# Altium PCB 主控板20160428.PcbDoc (part 1 of 4) (continued)
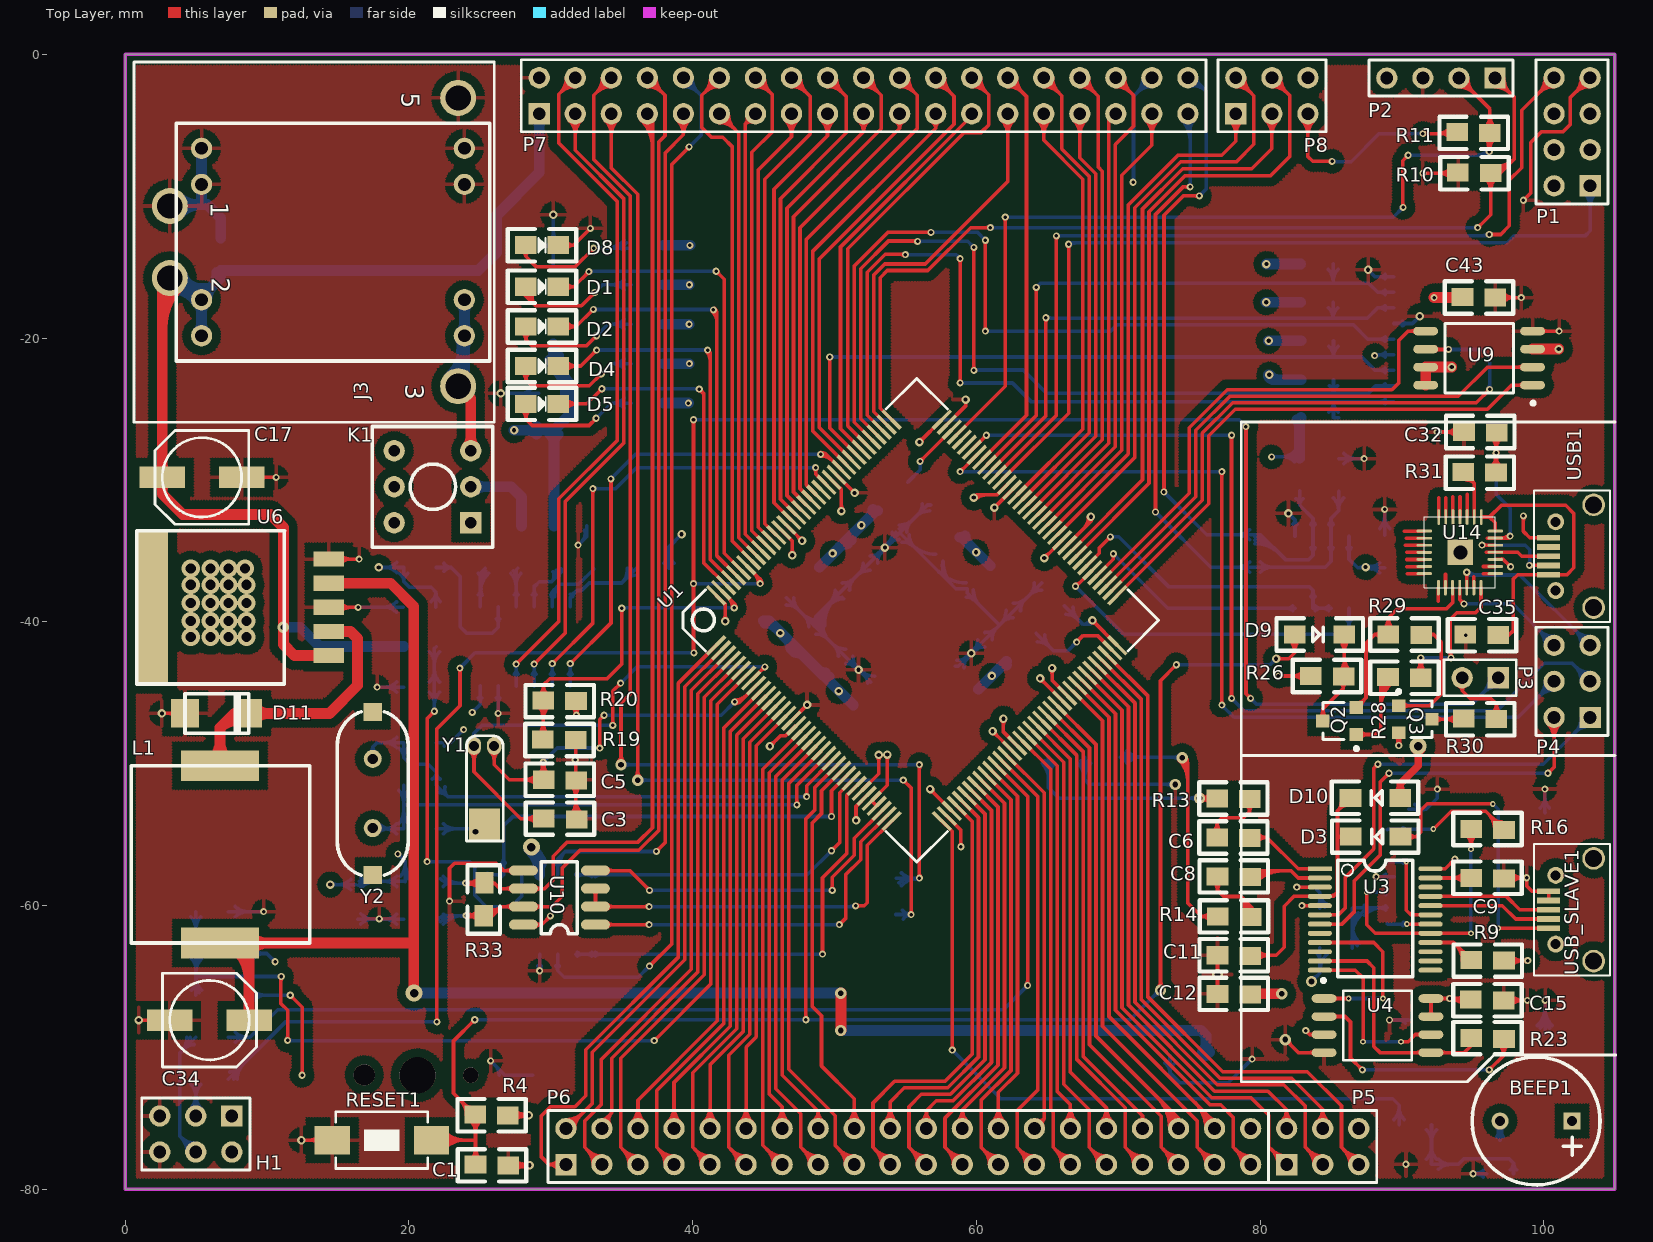
[diagram p0: Top Layer view]
## Components (designator, comment, footprint, x,y, rotation, side; value= is the part's Value field where it differs from the comment) (continued)
R22 "1k" 0805 35.662,-24.587 r0 bottom
R23 "102" 0805 97.155,-69.342 r180 top
R25 "1k" 0805 37.948,-13.462 r180 bottom
R26 "103" 0805 85.852,-43.815 r180 top
R28 "102" 0805 89.027,-43.942 r0 top
R29 "102" 0805 91.313,-40.894 r180 top
R30 "102" 0805 94.361,-46.863 r0 top
R31 "472" 0805 94.336,-29.489 r0 top
R32 "360R" 0805 21.92,-58.293 r180 bottom
R33 "120R" 0805 25.273,-58.42 r270 top
R34 "360R" 0805 19.634,-60.96 r0 bottom
R35 "10K/1%" 0805 21.92,-41.749 r180 bottom
R36 "1K/1%" 0805 19.634,-44.602 r0 bottom
R37 "360R" 0805 82.779,-30.759 r90 bottom
R38 "120R" 0805 79.629,-33.858 r270 bottom
R39 "360R" 0805 85.522,-28.499 r270 bottom
R40 "1K" 0805 89.789,-75.438 r0 bottom
R41 "10K" 0805 89.789,-78.232 r0 bottom
RESET1 "KEY_M" SW_PB2_A1 18.034,-76.53 r270 top
U1 "STM32F407ZET6" LQFP144 41.656,-41.656 r45 top
U3 "KT603C" SSOP24 84.201,-57.404 r0 top
U4 "W25Q128" SOIC8_W 88.265,-68.453 r0 top
U5 "TDA8932T_GFB" ? 54.28,-59.69 r0 bottom
U6 "LM2596-12" LM2596-12 0.813,-33.579 r0 top
U7 "MAX3232CUE" SO-16 25.019,-38.938 r270 bottom
U8 "AMS1117" SOT-223 30.226,-29.87 r180 bottom
U9 "W25Q128" SOIC8_W 95.428,-21.412 r180 top
U10 "SP3485" SO-8 33.147,-61.341 r180 top
U11 "TLC2264" SO-14 25.4,-57.836 r270 bottom
U12 "SP3485" SO-8 86.258,-39.04 r90 bottom
U14 "CP2102" QFN28 91.567,-37.592 r90 top
USB1 "USB-B(Mini)" MINIUSB 113.157,-34.925 r180 top
USB_SLAVE1 "USB-B(Mini)" MINIUSB 113.157,-59.842 r180 top
Y1 "32.768K" XTAL32 26.01,-48.743 r270 top
Y2 "8MHz" XTAL_US 17.45,-49.657 r270 top

## Footprints (in the part's own frame and the unit in brackets; to place one, negate y for a bottom-side part, rotate by r counter-clockwise, add the part's x,y. Pads: shape width x height; smd on the part's side, far side on the other; paste and mask are expansions set on the pad)
0805 [mil]
  rect 60x50 smd: 1(-1,2) 2(90,0)
  silkscreen extent -50,-45 140,45, body extent 6,-25 84,24, height 31
BELL-5 [mm]
  rect 1.2x1.2 hole 0.7: 1(0,0)
  round 1.2 hole 0.7: 2(5.08,0)
  silkscreen extent -1.97,-4.51 7.05,4.51, body extent -3.59,-5.49 8.41,6.51, height 9.3
BTN8.5*8.5 [mm]
  rect 1.5x1.5 hole 0.8: 1(0,0)
  round 1.5 hole 0.8: 2(0,-2.54) 3(0,-5.08) 4(5.4,-5.08) 5(5.4,-2.54) 6(5.4,0)
  silkscreen extent -1.55,-6.79 6.95,1.71
CC6.56.5 [mm]
  rect 3.2x1.5 smd: 1(-2.794,0) 2(2.8,0)
  silkscreen extent -3.3,-3.3 3.3,3.3, body extent -5.03,-4.05 4.87,4.25, height 10.2
CR1220 [mm]
  round 2.54 hole 2.54: 0(0,0)
  round 1.1 hole 1.1: 0(0,3.75)
  round 1.5 hole 1.5: 0(0.025,-3.75)
  oct 3.5x5 smd: 1(0,-8.128)
  oval 3.5x5 smd: 2(0,8.128)
  silkscreen extent -7.62,-7.5 7.62,7.36
DIDOE [mil]
  rect 60x50 smd: 1(0,0) 2(137.8,0)
  silkscreen extent -50,-45 190,45
DIP-2X19 [mm]
  rect 1.5x1.5 hole 0.9: 1(0,0)
  round 1.5 hole 0.9: 2(0,2.54) 3(2.54,0) 4(2.54,2.54) 5(5.08,0) 6(5.08,2.54) 7(7.62,0) 8(7.62,2.54) 9(10.16,0) 10(10.16,2.54) 11(12.7,0) 12(12.7,2.54) 13(15.24,0) 14(15.24,2.54) 15(17.78,0) 16(17.78,2.54) 17(20.32,0) 18(20.32,2.54) 19(22.86,0) 20(22.86,2.54) 21(25.4,0) 22(25.4,2.54) 23(27.94,0) 24(27.94,2.54) 25(30.48,0) 26(30.48,2.54) 27(33.02,0) 28(33.02,2.54) 29(35.56,0) 30(35.56,2.54) 31(38.1,0) 32(38.1,2.54) 33(40.64,0) 34(40.64,2.54) 35(43.18,0) 36(43.18,2.54) 37(45.72,0) 38(45.72,2.54)
  silkscreen extent -1.27,-1.27 46.99,3.81
DIP-2X20 [mm]
  rect 1.5x1.5 hole 0.9: 1(0,0)
  round 1.5 hole 0.9: 2(0,2.54) 3(2.54,0) 4(2.54,2.54) 5(5.08,0) 6(5.08,2.54) 7(7.62,0) 8(7.62,2.54) 9(10.16,0) 10(10.16,2.54) 11(12.7,0) 12(12.7,2.54) 13(15.24,0) 14(15.24,2.54) 15(17.78,0) 16(17.78,2.54) 17(20.32,0) 18(20.32,2.54) 19(22.86,0) 20(22.86,2.54) 21(25.4,0) 22(25.4,2.54) 23(27.94,0) 24(27.94,2.54) 25(30.48,0) 26(30.48,2.54) 27(33.02,0) 28(33.02,2.54) 29(35.56,0) 30(35.56,2.54) 31(38.1,0) 32(38.1,2.54) 33(40.64,0) 34(40.64,2.54) 35(43.18,0) 36(43.18,2.54) 37(45.72,0) 38(45.72,2.54) 39(48.26,0) 40(48.26,2.54)
  silkscreen extent -1.27,-1.27 49.53,3.81
HDR1X2 [mm]
  rect 1.5x1.5 hole 0.9: 1(0,0)
  round 1.5 hole 0.9: 2(2.54,0)
  silkscreen extent -1.27,-1.27 3.81,1.27
HDR1X4 [mm]
  rect 1.5x1.5 hole 0.9: 1(0,0)
  round 1.5 hole 0.9: 2(2.54,0) 3(5.08,0) 4(7.62,0)
  silkscreen extent -1.27,-1.27 8.89,1.27
HDR2X3 [mm]
  rect 1.5x1.5 hole 0.9: 1(0,0)
  round 1.5 hole 0.9: 2(0,2.54) 3(2.54,0) 4(2.54,2.54) 5(5.08,0) 6(5.08,2.54)
  silkscreen extent -1.27,-1.27 6.35,3.81
HDR2X4_CEN [mm]
  rect 1.5x1.5 hole 0.9: 1(0,0)
  round 1.5 hole 0.9: 2(2.54,0) 3(5.08,0) 4(7.62,0) 5(0,2.54) 6(2.54,2.54) 7(5.08,2.54) 8(7.62,2.54)
  silkscreen extent -1.27,-1.27 8.89,3.81
L-330 [mm]
  rect 5.5x2.16 smd: 1(6.25,0) 2(6.25,-12.5)
  silkscreen extent 0,-12.5 12.57,0
LED [mil]
  rect 60x50 smd: 1(-0.31,0.27) 2(89.69,0.27)
  silkscreen extent -50,-45 140,45
LM2596-12 [mm]
  rect 2.16x1.07 smd: 1(13.53,-8.8) 2(13.53,-7.1) 3(13.53,-5.4) 4(13.53,-3.7) 5(13.53,-2)
  rect 2.16x10.8 smd: ""(1.143,-5.461)
  silkscreen extent 0,-10.8 10.41,0, body extent -0.66,-10.64 15.01,-0.24, height 4.5
LQFP144 [mm]
  rect 1.8x0.254 smd: 1(-0.009,0.001) 2(-0.009,-0.499) 3(-0.009,-0.999) 4(-0.009,-1.499) 5(-0.009,-1.999) 6(-0.009,-2.499) 7(-0.009,-2.999) 8(-0.009,-3.499) 9(-0.009,-3.999) 10(-0.009,-4.499) 11(-0.009,-4.999) 12(-0.009,-5.499) 13(-0.009,-5.999) 14(-0.009,-6.499) 15(-0.009,-6.999) 16(-0.009,-7.499) 17(-0.009,-7.999) 18(-0.009,-8.499) 19(-0.009,-8.999) 20(-0.009,-9.499) 21(-0.009,-9.999) 22(-0.009,-10.499) 23(-0.009,-10.999) 24(-0.009,-11.499) 25(-0.009,-11.999) 26(-0.009,-12.499) 27(-0.009,-12.999) 28(-0.009,-13.499) 29(-0.009,-13.999) 30(-0.009,-14.499) 31(-0.009,-14.999) 32(-0.009,-15.499) 33(-0.009,-15.999) 34(-0.009,-16.499) 35(-0.009,-16.999) 36(-0.009,-17.499) 73(22.491,-17.499) 74(22.491,-16.999) 75(22.491,-16.499) 76(22.491,-15.999) 77(22.491,-15.499) 78(22.491,-14.999) 79(22.491,-14.499) 80(22.491,-13.999) 81(22.491,-13.499) 82(22.491,-12.999) 83(22.491,-12.499) 84(22.491,-11.999) 85(22.491,-11.499) 86(22.491,-10.999) 87(22.491,-10.499) 88(22.491,-9.999) 89(22.491,-9.499) 90(22.491,-8.999) 91(22.491,-8.499) 92(22.491,-7.999) 93(22.491,-7.499) 94(22.491,-6.999) 95(22.491,-6.499) 96(22.491,-5.999) 97(22.491,-5.499) 98(22.491,-4.999) 99(22.491,-4.499) 100(22.491,-3.999) 101(22.491,-3.499) 102(22.491,-2.999) 103(22.491,-2.499) 104(22.491,-1.999) 105(22.491,-1.499) 106(22.491,-0.999) 107(22.491,-0.499) 108(22.491,0.001)
  rect 0.254x1.8 smd: 37(2.491,-19.999) 38(2.991,-19.999) 39(3.491,-19.999) 40(3.991,-19.999) 41(4.491,-19.999) 42(4.991,-19.999) 43(5.491,-19.999) 44(5.991,-19.999) 45(6.491,-19.999) 46(6.991,-19.999) 47(7.491,-19.999) 48(7.991,-19.999) 49(8.491,-19.999) 50(8.991,-19.999) 51(9.491,-19.999) 52(9.991,-19.999) 53(10.491,-19.999) 54(10.991,-19.999) 55(11.491,-19.999) 56(11.991,-19.999) 57(12.491,-19.999) 58(12.991,-19.999) 59(13.491,-19.999) 60(13.991,-19.999) 61(14.491,-19.999) 62(14.991,-19.999) 63(15.491,-19.999) 64(15.991,-19.999) 65(16.491,-19.999) 66(16.991,-19.999) 67(17.491,-19.999) 68(17.991,-19.999) 69(18.491,-19.999) 70(18.991,-19.999) 71(19.491,-19.999) 72(19.991,-19.999) 109(19.991,2.501) 110(19.491,2.501) 111(18.991,2.501) 112(18.491,2.501) 113(17.991,2.501) 114(17.491,2.501) 115(16.991,2.501) 116(16.491,2.501) 117(15.991,2.501) 118(15.491,2.501) 119(14.991,2.501) 120(14.491,2.501) 121(13.991,2.501) 122(13.491,2.501) 123(12.991,2.501) 124(12.491,2.501) 125(11.991,2.501) 126(11.491,2.501) 127(10.991,2.501) 128(10.491,2.501) 129(9.991,2.501) 130(9.491,2.501) 131(8.991,2.501) 132(8.491,2.501) 133(7.991,2.501) 134(7.491,2.501) 135(6.991,2.501) 136(6.491,2.501) 137(5.991,2.501) 138(5.491,2.501) 139(4.991,2.501) 140(4.491,2.501) 141(3.991,2.501) 142(3.491,2.501) 143(2.991,2.501) 144(2.491,2.501)
  silkscreen extent -0.81,-20.8 23.29,3.3, body extent 0.25,-19.61 22.03,2.16, height 1.5
MINIUSB [mm]
  round 1.6 hole 1.2: 0(9.652,-3.175) 0(9.652,4.075)
  round 1.2 hole 0.7: 0(12.332,-1.975) 0(12.332,2.875)
  rect 1.6x0.4 smd: 1(12.835,1.75) 2(12.835,1.1) 3(12.835,0.45) 4(12.835,-0.2) 5(12.835,-0.85)
  silkscreen extent 8.51,-4.19 13.85,5.08, body extent 7.96,-4.04 13.69,4.76, height 2.71
QFN28 [mm]
  rect 1.8x1.8 smd: 0(2.489,-2.54)
  oval 0.2x1.1 smd: 1(0.991,-5.004) 2(1.491,-5.004) 3(1.991,-5.004) 4(2.491,-5.004) 5(2.991,-5.004) 6(3.491,-5.004) 7(3.991,-5.004) 15(3.988,0) 16(3.488,0) 17(2.988,0) 18(2.488,0) 19(1.988,0) 20(1.488,0) 21(0.988,0)
  oval 1.1x0.2 smd: 8(4.978,-4.013) 9(4.978,-3.513) 10(4.978,-3.013) 11(4.978,-2.513) 12(4.978,-2.013) 13(4.978,-1.513) 14(4.978,-1.013) 22(0,-0.991) 23(0,-1.491) 24(0,-1.991) 25(0,-2.491) 26(0,-2.991) 27(0,-3.491) 28(0,-3.991)
  silkscreen extent -0.01,-5 4.99,0
SDCARD-M [mm]
  rect 1.6x0.7 smd: 1(-11.008,2.25) 2(-11.008,1.15) 3(-11.008,0.05) 4(-11.008,-1.05) 5(-11.008,-2.15) 6(-11.008,-3.25) 7(-11.008,-4.35) 8(-11.008,-5.45) 9(-11.008,-6.55)
  rect 1.4x1.2 smd: 10(-10,-8.004)
  rect 2.2x1.7 smd: 11(-0.4,-7.75) 13(-0.4,7.75)
  rect 1.4x1.8 smd: 12(-10,6.85)
  silkscreen extent -10.5,-7.4 4,7.4
SO-8 [mil]
  oval 80x28 smd: 1(0,0) 2(0,-50) 3(0,-100) 4(0,-150) 5(200,-150) 6(200,-100) 7(200,-50) 8(200,0)
  silkscreen extent 50,-175 150,25, body extent -17,-174 221,24, height 63
SO-14 [mil]
  oval 80x24 smd: 1(0,0) 2(0,-50) 3(0,-100) 4(0,-150) 5(0,-200) 6(0,-250) 7(0,-300) 8(220,-300) 9(220,-250) 10(220,-200) 11(220,-150) 12(220,-100) 13(220,-50) 14(220,0)
  silkscreen extent 60,-325 160,25, body extent -13,-320 223,18, height 71
SO-16 [mil]
  oval 80x24 smd: 1(0,0) 2(0,-50) 3(0,-100) 4(0,-150) 5(0,-200) 6(0,-250) 7(0,-300) 8(0,-350) 9(220,-350) 10(220,-300) 11(220,-250) 12(220,-200) 13(220,-150) 14(220,-100) 15(220,-50) 16(220,0)
  silkscreen extent 60,-375 160,25
SOIC8_W [mm]
  oval 1.75x0.6 smd: 1(-3.768,1.905) 2(-3.768,0.635) 3(-3.768,-0.635) 4(-3.768,-1.905) 5(3.768,-1.905) 6(3.768,-0.635) 7(3.768,0.635) 8(3.768,1.905)
  silkscreen extent -3.93,-2.45 2.41,3.3
SOT-23R [mm]
  rect 0.9x0.95 smd: 1(0.95,-1.048) 2(-0.95,-1.048) 3(0,1.302)
  silkscreen extent -2.07,-1.17 1.3,1.3
SOT-223 [mm]
  rect 1.1x1.55 smd: 1(-2.3,-3.375) 2(0,-3.375) 3(2.3,-3.375)
  rect 3.45x1.55 smd: 4(0,3.375)
  silkscreen extent -3.5,-3.48 3.35,1.85, body extent -3.3,-3.94 3.3,3.43, height 0.8
SS34 [mm]
  rect 2x2 smd: 1(4.445,-1.397) 2(0,-1.395)
  silkscreen extent 0,-2.79 4.5,0
SSOP24 [mm]
  rect 1.7x0.35 smd: 1(0,0)
  oval 1.7x0.35 smd: 2(0,-0.65) 3(0,-1.3) 4(0,-1.95) 5(0,-2.6) 6(0,-3.25) 7(0,-3.9) 8(0,-4.55) 9(0,-5.2) 10(0,-5.85) 11(0,-6.5) 12(0,-7.15) 13(7.8,-7.15) 14(7.8,-6.5) 15(7.8,-5.85) 16(7.8,-5.2) 17(7.8,-4.55) 18(7.8,-3.9) 19(7.8,-3.25) 20(7.8,-2.6) 21(7.8,-1.95) 22(7.8,-1.3) 23(7.8,-0.65) 24(7.8,0)
  silkscreen extent 1.25,-7.6 6.55,0.6
SW_PB2_A1 [mm]
  rect 2x2.5 smd: 1(0,3.556) 2(0,-3.444)
  silkscreen extent -2,-3.19 2,3.31, body extent -2.03,-3.18 2.03,3.3, height 1.2
WD5-24S3V3 [mm]
  round 2.54 hole 1.778: 1(0,0) 2(0,-5.08) 3(20.32,-12.7) 5(20.32,7.62)
  round 1.5 hole 0.9: 1(2.235,1.524) 1(2.235,4.064) 2(2.235,-9.144) 2(2.235,-6.604) 3(20.759,-9.144) 3(20.759,-6.604) 5(20.759,1.524) 5(20.759,4.064)
  silkscreen extent -2.54,-15.24 22.86,10.16
XTAL32 [mil]
  oval 50x40 hole 28: 1(0,0) 2(0,-56)
  rect 92.13x86 smd: ""(220,-27)
  silkscreen extent -28,-77 264,25
XTAL_US [mil]
  round 50 hole 28: 1(0,0) 2(192.13,0)
  rect 50x50 smd: ""(-130.32,0) ""(322.44,0)
  silkscreen extent -131,-98 323,98
? [mm]
  rect 1.5x1.5 smd: 1(10.795,-10.149) 2(15.875,-10.149) 3(0,0.991) 3(26.7,0.991) 4(0,-1.549) 4(26.7,-1.549) 5(21.9,10.891) 6(13.335,-10.149) 6(19.36,10.891)
  silkscreen extent -2,-13.13 28.67,13.91

## Part data
D1 D2 D4 D5 D8: library part LED2, "Ty"
D11: library part "Diode BAT17", "Silicon RF Schottky Diode for Mixer Applications in t"
P1: library part "Header 4X2A", "Heade"
P2: "Header, 4-Pin, Right Angle"
P3: library part Header
P4 P5 P8: "Header, 3-Pin, Dual"
P6 P7: "Header,"
Q2 Q4: library part NPN, "80"

## Via types
v1: diameter 0.5, hole 0.25, Top Layer to Bottom Layer, 178 vias
v2: diameter 0.6, hole 0.3, Top Layer to Bottom Layer, 54 vias
v3: diameter 1.27, hole 0.711, Top Layer to Bottom Layer, 20 vias
v4: diameter 0.8, hole 0.4, Top Layer to Bottom Layer, 14 vias
v5: diameter 0.406, hole 0.203, Top Layer to Bottom Layer, 12 vias
v6: diameter 1.2, hole 0.6, Top Layer to Bottom Layer, 3 vias
v7: diameter 0.5, hole 0.305, Top Layer to Bottom Layer, 1 vias
v8: diameter 1.5, hole 1, Top Layer to Bottom Layer, 1 vias

## Nets (pads, with @x,y where several pads share a name; then routed paths per layer and width w, separated by ;. In a path a pad name is that pad's centre, name@x,y a point inside that pad or via, vN(x,y) a via of type N, cw(c..) or ccw(c..) an arc to the next point about the centre after c; other vN are vias at no path point)
BEEP: R40.1 U1.37 | length 53.8
  Top Layer w0.254: U1.37@57.559,-54.036 58.293,-54.77 v1(58.293,-70.18) ; v1@58.206,-70.093 ccw(c57.996,-69.883) 58.293,-69.883 ccw(c58.59,-69.883) v1@58.38,-70.093
  Bottom Layer w0.254: v1@58.293,-70.303 cw(c58.293,-70.6) 58.503,-70.39 cw(c58.713,-70.18) v1@58.416,-70.18 ; v1(58.293,-70.18) 61.722,-73.609 87.96,-73.609 89.332,-73.609 89.789,-74.066 R40.1@89.789,-75.438 ; R40.1@89.43,-75.079 ccw(c88.563,-74.212) 89.789,-74.212 ccw(c91.015,-74.212) R40.1@90.148,-75.079
BOOT0: P3.1 R1.1 U1.138 | length 174
  Top Layer w0.254: v1@21.884,-68.112 ccw(c21.674,-67.902) 21.971,-67.902 ccw(c22.268,-67.902) v1@22.058,-68.112 ; v1(21.971,-68.199) 21.971,-47.549 23.597,-45.923 v1(23.597,-43.256) ; v1@23.51,-43.343 cw(c23.3,-43.553) 23.597,-43.553 cw(c23.894,-43.553) v1@23.684,-43.343 ; v1@39.969,-37.4 cw(c39.752,-37.616) 40.059,-37.616 ; v1@39.969,-37.226 ccw(c39.752,-37.009) 40.059,-37.009 ; v1@39.969,-25.843 cw(c39.759,-26.053) 40.056,-26.053 cw(c40.353,-26.052) v1@40.143,-25.843 ; v1(40.056,-25.756) v1@40.06,-42.168 ; 40.059,-37.603 cw(c40.346,-37.603) v1@40.143,-37.4 ; 40.059,-37.022 ccw(c40.346,-37.022) v1@40.143,-37.226 ; 40.06,-41.841 ccw(c40.43,-41.841) v1@40.168,-42.102 ; U1.138@43.771,-36.005 44.755,-36.989 v1(44.755,-37.313) ; U1.138@44.316,-36.551 cw(c43.554,-37.313) v1@44.632,-37.313 ; v1@44.668,-37.226 ccw(c44.458,-37.016) 44.755,-37.016 ccw(c45.052,-37.016) v1@44.842,-37.226 ; 44.75,-36.984 cw(c44.422,-37.313) v1@44.886,-37.313 ; v1@78.907,-26.325 cw(c78.697,-26.535) 78.994,-26.535 cw(c79.291,-26.535) v1@79.081,-26.325 ; v1(78.994,-26.238) 78.994,-45.06 v1(79.324,-45.39) ; v1@79.201,-45.39 ccw(c78.904,-45.39) 79.114,-45.18 ccw(c79.324,-44.97) v1@79.324,-45.267
  Bottom Layer w0.254: R1.1@7.264,-72.238 11.303,-68.199 v1(21.971,-68.199) ; R1.1@7.391,-71.73 ccw(c7.391,-70.81) 8.042,-71.46 ; R1.1@7.645,-72.238 cw(c8.565,-72.238) R1.1@7.915,-71.587 ; R1.1@7.899,-72.238 cw(c9.432,-72.238) 8.348,-71.154 ; v1@21.884,-68.286 ccw(c21.674,-68.496) 21.674,-68.199 ccw(c21.674,-67.902) v1@21.884,-68.112 ; v1(23.597,-43.256) 24.663,-42.189 v1(40.081,-42.189) ; v1@23.597,-43.133 ccw(c23.597,-42.836) 23.807,-43.046 ccw(c24.017,-43.256) v1@23.72,-43.256 ; v1@39.994,-42.276 ccw(c39.784,-42.486) 39.784,-42.189 ccw(c39.784,-41.892) v1@39.994,-42.102 ; v1(40.056,-37.313) v1(44.755,-37.313) ; v1(40.056,-25.756) 78.511,-25.756 v1(78.994,-26.238) ; v1@40.143,-37.4 cw(c40.353,-37.61) 40.353,-37.313 cw(c40.353,-37.016) v1@40.143,-37.226 ; v1@40.143,-25.843 cw(c40.353,-26.053) 40.353,-25.756 cw(c40.353,-25.459) v1@40.143,-25.669 ; v1@44.668,-37.4 ccw(c44.458,-37.61) 44.458,-37.313 ccw(c44.458,-37.016) v1@44.668,-37.226 ; v1@78.871,-26.238 ccw(c78.574,-26.238) 78.784,-26.028 ccw(c78.994,-25.818) v1@78.994,-26.115 ; v1@79.324,-45.513 cw(c79.324,-45.81) 79.534,-45.6 cw(c79.744,-45.39) v1@79.447,-45.39 ; v1(79.324,-45.39) 79.756,-45.822 94.894,-45.822 P3.1@96.774,-43.942 ; P3.1@96.151,-43.942 cw(c94.647,-43.942) 95.71,-45.006 cw(c96.774,-46.069) P3.1@96.774,-44.565 ; P3.1@96.405,-43.942 cw(c95.514,-43.942) 96.144,-44.572 cw(c96.774,-45.202) P3.1@96.774,-44.311
BOOT1: R2.2 U1.48 | length 77.1
  Top Layer w0.254: U1.48@61.448,-50.147 63.602,-52.301 v1(63.602,-65.634) ; v1@63.515,-65.547 ccw(c63.305,-65.337) 63.602,-65.337 ccw(c63.899,-65.337) v1@63.689,-65.547
  Bottom Layer w0.254: R2.2@7.264,-69.285 8.795,-69.285 10.744,-67.335 61.9,-67.335 v1(63.602,-65.634) ; R2.2@7.751,-69.644 cw(c8.618,-70.511) 8.618,-69.285 cw(c8.618,-68.058) R2.2@7.751,-68.926 ; v1@63.479,-65.634 cw(c63.182,-65.634) 63.392,-65.844 cw(c63.602,-66.054) v1@63.602,-65.757
BY_KC1: P7.25 U1.115 | length 28.1
  Top Layer w0.254: U1.115@51.902,-27.873 50.419,-26.39 50.419,-13.575 59.665,-4.33 P7.25@59.665,-4.191
BY_KC2: P7.24 U1.117 | length 36.1
  Top Layer w0.254: U1.117@51.195,-28.58 48.932,-26.317 48.932,-14.416 58.42,-4.928 58.42,-2.946 P7.24@57.125,-1.651 ; P7.24@57.125,-2.274 cw(c57.125,-3.778) 58.188,-2.715 cw(c59.252,-1.651) P7.24@57.748,-1.651 ; P7.24@57.125,-2.02 cw(c57.125,-2.911) 57.755,-2.281 cw(c58.384,-1.651) P7.24@57.494,-1.651
BY_KC3: P7.23 U1.118 | length 30.4
  Top Layer w0.254: U1.118@50.842,-28.934 48.475,-26.567 48.475,-13.857 57.125,-5.207 ; P7.23@56.842,-4.746 cw(c56.608,-5.207) 57.125,-5.207 ; P7.23@57.125,-4.191 57.125,-5.207 ; P7.23@57.407,-4.746 ccw(c57.642,-5.207) 57.125,-5.207
BY_KR1: P7.35 U1.87 | length 35.8
  Top Layer w0.254: U1.87@64.984,-33.177 70.244,-27.917 70.244,-8.522 72.365,-6.401 P7.35@72.365,-4.191 ; P7.35@71.924,-4.632 cw(c70.861,-5.695) 72.365,-5.695 cw(c73.869,-5.695) P7.35@72.805,-4.632 ; P7.35@72.104,-4.452 cw(c71.474,-5.082) 72.365,-5.082 cw(c73.255,-5.082) P7.35@72.626,-4.452
BY_KR2: P7.34 U1.88 | length 38.1
  Top Layer w0.254: U1.88@64.63,-32.823 69.787,-27.667 69.787,-6.363 71.069,-5.08 71.069,-2.896 P7.34@69.825,-1.651 ; P7.34@69.825,-2.274 cw(c69.825,-3.778) 70.888,-2.715 cw(c71.952,-1.651) P7.34@70.448,-1.651 ; P7.34@69.825,-2.02 cw(c69.825,-2.911) 70.455,-2.281 cw(c71.084,-1.651) P7.34@70.194,-1.651
BY_KR3: P7.33 U1.89 | length 30.6
  Top Layer w0.254: U1.89@64.277,-32.47 69.329,-27.417 69.329,-4.686 P7.33@69.825,-4.191
CAN_RX: U1.103
CAN_TX: U1.104
DACLOUT: R13.2 U5.1 | length 22.7
  Top Layer w0.254: v4@75.895,-52.633 cw(c76.119,-52.895) 76.208,-52.562 cw(c76.295,-52.24) v4@75.977,-52.342 ; v4@75.91,-52.619 cw(c76.315,-53.023) R13.2@76.315,-52.451 ; v4@75.91,-52.233 ccw(c76.438,-51.705) R13.2@76.438,-52.451 ; v4@75.954,-52.29 ccw(c76.087,-52.215) 76.126,-52.362 ccw(c76.181,-52.566) v4@75.979,-52.505 ; R13.2@76.435,-52.764 ccw(c75.794,-53.264) v4@75.794,-52.451 ; R13.2@76.435,-52.138 cw(c75.794,-51.638) v4@75.794,-52.451 ; R13.2@76.962,-52.451 v4@75.794,-52.451
  Bottom Layer w0.254: U5.1@64.634,-49.981 cw(c63.571,-51.045) 65.075,-51.045 cw(c66.579,-51.045) U5.1@65.515,-49.981 ; U5.1@64.814,-49.802 cw(c64.184,-50.431) 65.075,-50.431 cw(c65.966,-50.431) U5.1@65.336,-49.802 ; U5.1@65.075,-49.541 65.075,-51.689 65.811,-52.426 v4(75.717,-52.426) ; v4@75.524,-52.619 ccw(c75.058,-53.085) 75.058,-52.426 ccw(c75.058,-51.767) v4@75.524,-52.233
DACROUT: R14.2 U5.2 | length 27.4
  Top Layer w0.254: v4@74.305,-49.774 cw(c72.919,-51.16) 74.879,-51.16 ; v4@74.485,-49.594 cw(c73.533,-50.546) 74.879,-50.546 ; v4@74.524,-49.581 74.879,-49.936 ; v4@74.561,-49.846 cw(c74.64,-50.176) 74.879,-49.936 ; v4@74.664,-49.415 cw(c74.146,-49.933) 74.879,-49.933 ; v4@74.769,-49.615 ccw(c75.152,-49.663) 74.879,-49.936 ; R14.2@76.485,-61.069 ccw(c75.844,-61.57) 75.844,-60.757 ; R14.2@76.485,-60.444 cw(c75.844,-59.943) 75.844,-60.757 ; R14.2@77.013,-60.757 75.844,-60.757 ; 74.879,-49.936 74.879,-59.792 75.844,-60.757
  Bottom Layer w0.254: U5.2@70.155,-49.541 v4@74.498,-49.541 ; U5.2@70.416,-49.802 cw(c71.046,-50.431) 71.046,-49.541 cw(c71.046,-48.65) U5.2@70.416,-49.28 ; U5.2@70.595,-49.981 cw(c71.659,-51.045) 71.659,-49.541 cw(c71.659,-48.037) U5.2@70.595,-49.1 ; 73.742,-49.541 cw(c73.742,-50.337) v4@74.305,-49.774 ; 73.936,-49.541 ccw(c73.936,-49.019) v4@74.305,-49.388
  other v4: 74.498,-49.581
DJ1_KC1: P7.16 U1.132 | length 38.2
  Top Layer w0.254: U1.132@45.892,-33.884 45.085,-33.077 45.085,-8.814 48.285,-5.613 48.285,-2.972 P7.16@46.965,-1.651 ; P7.16@46.965,-2.274 cw(c46.965,-3.778) 48.028,-2.715 cw(c49.092,-1.651) P7.16@47.588,-1.651 ; P7.16@46.965,-2.02 cw(c46.965,-2.911) 47.595,-2.281 cw(c48.224,-1.651) P7.16@47.334,-1.651
DJ1_KC2: P7.15 U1.133 | length 35.2
  Top Layer w0.254: U1.133@45.538,-34.237 44.628,-33.327 44.628,-8.153 46.965,-5.817 P7.15@46.965,-4.191 ; P7.15@46.524,-4.632 cw(c45.461,-5.695) 46.965,-5.695 cw(c48.469,-5.695) P7.15@47.405,-4.632 ; P7.15@46.704,-4.452 cw(c46.074,-5.082) 46.965,-5.082 cw(c47.855,-5.082) P7.15@47.226,-4.452
DJ1_KC3: P7.14 U1.134 | length 38.2
  Top Layer w0.254: P7.14@44.425,-2.274 cw(c44.425,-3.778) 45.488,-2.715 cw(c46.552,-1.651) P7.14@45.048,-1.651 ; P7.14@44.425,-2.02 cw(c44.425,-2.911) 45.055,-2.281 cw(c45.684,-1.651) P7.14@44.794,-1.651 ; P7.14@44.425,-1.651 45.618,-2.845 45.618,-5.461 44.171,-6.909 44.171,-33.577 U1.134@45.185,-34.591
DJ2_KC1: P7.19 U1.127 | length 33.4
  Top Layer w0.254: U1.127@47.66,-32.116 46.646,-31.102 46.646,-10.86 52.045,-5.461 ; P7.19@51.663,-4.684 cw(c51.062,-5.461) 52.045,-5.461 ; P7.19@51.819,-4.483 cw(c51.462,-4.943) 52.045,-4.943 cw(c52.627,-4.943) P7.19@52.27,-4.483 ; P7.19@52.045,-4.191 52.045,-5.461 ; P7.19@52.426,-4.684 ccw(c53.027,-5.461) 52.045,-5.461
DJ2_KC2: P7.18 U1.128 | length 37.5
  Top Layer w0.254: U1.128@47.306,-32.47 46.189,-31.352 46.189,-10.174 50.825,-5.537 50.825,-2.972 P7.18@49.505,-1.651 ; P7.18@49.505,-2.274 cw(c49.505,-3.778) 50.568,-2.715 cw(c51.632,-1.651) P7.18@50.128,-1.651 ; P7.18@49.505,-2.02 cw(c49.505,-2.911) 50.135,-2.281 cw(c50.764,-1.651) P7.18@49.874,-1.651
DJ2_KC3: P7.17 U1.129 | length 34.5
  Top Layer w0.254: U1.129@46.953,-32.823 45.731,-31.602 45.731,-9.514 49.505,-5.74 P7.17@49.505,-4.191 ; P7.17@49.064,-4.632 cw(c48.001,-5.695) 49.505,-5.695 cw(c51.009,-5.695) P7.17@49.945,-4.632 ; P7.17@49.244,-4.452 cw(c48.614,-5.082) 49.505,-5.082 cw(c50.395,-5.082) P7.17@49.766,-4.452
DJ3_KC1: P7.13 U1.135 | length 32.6
  Top Layer w0.254: P7.13@43.834,-4.389 cw(c43.36,-4.548) 43.713,-4.902 ; P7.13@44.226,-4.782 ccw(c44.067,-5.256) 43.713,-4.902 ; P7.13@44.425,-4.191 43.713,-4.902 ; U1.135@44.831,-34.944 43.713,-33.827 43.713,-4.902
DJ3_KC2: P7.11 U1.136 | length 35.9
  Top Layer w0.254: P7.11@41.885,-4.814 cw(c41.885,-6.318) 42.948,-5.255 cw(c44.012,-4.191) P7.11@42.508,-4.191 ; P7.11@41.885,-4.56 cw(c41.885,-5.451) 42.515,-4.821 cw(c43.144,-4.191) P7.11@42.254,-4.191 ; P7.11@41.885,-4.191 43.256,-5.563 43.256,-34.077 U1.136@44.478,-35.298
DJ3_KC3: P7.12 U1.137 | length 40.2
  Top Layer w0.254: P7.12@41.262,-1.651 cw(c39.758,-1.651) 40.821,-2.715 cw(c41.885,-3.778) P7.12@41.885,-2.274 ; P7.12@41.516,-1.651 cw(c40.625,-1.651) 41.255,-2.281 cw(c41.885,-2.911) P7.12@41.885,-2.02 ; P7.12@41.885,-1.651 40.64,-2.896 40.64,-5.156 41.326,-5.842 42.113,-5.842 42.799,-6.528 42.799,-34.326 U1.137@44.124,-35.652
DJ4_KC1: P7.22 U1.124 | length 37.2
  Top Layer w0.254: U1.124@48.72,-31.055 48.017,-30.353 48.017,-13.044 55.829,-5.232 55.829,-2.896 P7.22@54.585,-1.651 ; P7.22@54.585,-2.274 cw(c54.585,-3.778) 55.648,-2.715 cw(c56.712,-1.651) P7.22@55.208,-1.651 ; P7.22@54.585,-2.02 cw(c54.585,-2.911) 55.215,-2.281 cw(c55.844,-1.651) P7.22@54.954,-1.651
DJ4_KC2: P7.21 U1.125 | length 31.6
  Top Layer w0.254: U1.125@48.367,-31.409 47.56,-30.602 47.56,-12.231 54.585,-5.207 ; P7.21@54.302,-4.746 cw(c54.068,-5.207) 54.585,-5.207 ; P7.21@54.585,-4.191 54.585,-5.207 ; P7.21@54.867,-4.746 ccw(c55.102,-5.207) 54.585,-5.207
DJ4_KC3: P7.20 U1.126 | length 37.3
  Top Layer w0.254: U1.126@48.013,-31.762 47.103,-30.852 47.103,-11.444 53.289,-5.258 53.289,-2.896 P7.20@52.045,-1.651 ; P7.20@52.045,-2.274 cw(c52.045,-3.778) 53.108,-2.715 cw(c54.172,-1.651) P7.20@52.668,-1.651 ; P7.20@52.045,-2.02 cw(c52.045,-2.911) 52.675,-2.281 cw(c53.304,-1.651) P7.20@52.414,-1.651
DTR: R28.2 U14.28 | length 14.6
  Top Layer w0.254: R28.2@90.954,-43.583 ccw(c90.087,-42.716) 91.313,-42.716 ccw(c92.539,-42.716) R28.2@91.672,-43.583 ; v1@91.206,-42.607 cw(c90.819,-42.83) 91.251,-42.946 ; v1@91.226,-42.632 cw(c91.016,-42.842) 91.313,-42.842 cw(c91.61,-42.842) v1@91.4,-42.632 ; R28.2@91.313,-43.942 v1(91.313,-42.545) ; 91.375,-42.946 cw(c91.807,-42.83) v1@91.42,-42.607 ; 93.396,-42.125 ccw(c93.866,-42.125) v1@93.534,-42.458 ; v1(93.447,-42.545) 93.396,-42.494 93.396,-39.827 93.853,-39.37 95.174,-39.37 95.558,-38.986 U14.28@95.558,-37.592
  Bottom Layer w0.254: v1(91.313,-42.545) v1(93.447,-42.545) ; v1@91.4,-42.632 cw(c91.61,-42.842) 91.61,-42.545 cw(c91.61,-42.248) v1@91.4,-42.458 ; v1@93.36,-42.632 ccw(c93.15,-42.842) 93.15,-42.545 ccw(c93.15,-42.248) v1@93.36,-42.458
DWQ1: P7.9 U11.5 | length 67.9
  Top Layer w0.254: v1(37.44,-56.185) 38.079,-55.546 38.079,-6.93 39.345,-5.664 ; v1@37.44,-56.062 ccw(c37.44,-55.765) 37.65,-55.975 ccw(c37.86,-56.185) v1@37.563,-56.185 ; P7.9@38.911,-4.638 cw(c37.914,-5.664) 39.345,-5.664 ; P7.9@39.088,-4.456 cw(c38.498,-5.064) 39.345,-5.064 cw(c40.192,-5.064) P7.9@39.602,-4.456 ; P7.9@39.345,-4.191 39.345,-5.664 ; P7.9@39.779,-4.638 ccw(c40.775,-5.664) 39.345,-5.664
  Bottom Layer w0.254: U11.5@30.359,-56.994 ccw(c30.104,-56.718) 30.48,-56.718 ; U11.5@30.404,-57.129 cw(c31.114,-57.09) 30.611,-56.587 ; U11.5@30.48,-57.836 30.48,-56.718 ; U11.5@30.601,-56.994 cw(c30.856,-56.718) 30.48,-56.718 ; U11.5@30.658,-57.115 cw(c31.877,-57.048) 31.013,-56.185 ; v1@37.353,-56.272 ccw(c37.143,-56.482) 37.143,-56.185 ccw(c37.143,-55.888) v1@37.353,-56.098 ; v1(37.44,-56.185) 31.013,-56.185 ; 30.48,-56.718 31.013,-56.185
DWQ1_ADC: U1.28 U11.6 U11.7 | length 27.2
  Top Layer w0.254: v1(49.784,-56.134) 50.364,-55.554 50.364,-52.039 U1.28@51.195,-51.208 ; v1@49.784,-56.011 ccw(c49.784,-55.714) 49.994,-55.924 ccw(c50.204,-56.134) v1@49.907,-56.134
  Bottom Layer w0.254: U11.6@31.775,-57.81 U11.6@31.75,-57.836 U11.7@33.02,-57.836 48.082,-57.836 v1(49.784,-56.134) ; U11.6@31.876,-57.962 cw(c32.179,-58.265) 32.179,-57.836 cw(c32.179,-57.407) U11.6@31.876,-57.71 ; U11.7@32.894,-57.961 ccw(c32.591,-58.265) 32.591,-57.836 ccw(c32.591,-57.406) U11.7@32.894,-57.71 ; U11.7@33.146,-57.961 cw(c33.449,-58.265) 33.449,-57.836 cw(c33.449,-57.407) U11.7@33.146,-57.71 ; v1@49.661,-56.134 cw(c49.364,-56.134) 49.574,-56.344 cw(c49.784,-56.554) v1@49.784,-56.257
DWQ2: P7.10 U11.10 | length 79.1
  Top Layer w0.254: v1(36.957,-64.262) 38.536,-62.683 38.536,-7.743 v1(39.751,-6.528) ; v1@36.957,-64.139 ccw(c36.957,-63.842) 37.167,-64.052 ccw(c37.377,-64.262) v1@37.08,-64.262 ; v1@39.628,-6.528 cw(c39.331,-6.528) 39.541,-6.738 cw(c39.751,-6.948) v1@39.751,-6.651
  Bottom Layer w0.254: U11.10@30.354,-64.261 cw(c30.051,-64.564) 30.48,-64.564 cw(c30.909,-64.564) U11.10@30.606,-64.261 ; U11.10@30.48,-63.424 30.48,-64.592 30.937,-65.049 36.17,-65.049 v1(36.957,-64.262) ; v1@36.834,-64.262 cw(c36.537,-64.262) 36.747,-64.472 cw(c36.957,-64.682) v1@36.957,-64.385 ; P7.10@39.345,-2.274 cw(c39.345,-3.778) 40.408,-2.715 cw(c41.472,-1.651) P7.10@39.968,-1.651 ; P7.10@39.345,-2.02 cw(c39.345,-2.911) 39.975,-2.281 cw(c40.604,-1.651) P7.10@39.714,-1.651 ; P7.10@39.345,-1.651 40.615,-2.921 40.615,-5.664 v1(39.751,-6.528) ; v1@39.751,-6.405 ccw(c39.751,-6.108) 39.961,-6.318 ccw(c40.171,-6.528) v1@39.874,-6.528
DWQ2_ADC: U1.29 U11.8 U11.9 | length 33.5
  Top Layer w0.254: v1@49.062,-63.337 ccw(c48.852,-63.127) 49.149,-63.127 ccw(c49.446,-63.127) v1@49.236,-63.337 ; v1(49.149,-63.424) 49.149,-58.039 49.657,-57.531 50.846,-56.342 50.846,-52.264 U1.29@51.549,-51.561 ; 50.846,-52.329 cw(c51.08,-52.329) U1.29@51.002,-52.108
  Bottom Layer w0.254: U11.9@31.75,-63.424 32.461,-63.424 v1(49.149,-63.424) ; U11.9@31.876,-63.55 cw(c32.179,-63.853) 32.179,-63.424 cw(c32.179,-62.995) U11.9@31.876,-63.298 ; U11.8@32.894,-63.55 ccw(c32.591,-63.853) 32.591,-63.424 ccw(c32.591,-62.995) U11.8@32.894,-63.298 ; U11.8@33.146,-63.55 cw(c33.449,-63.853) 33.449,-63.424 cw(c33.449,-62.995) U11.8@33.146,-63.298 ; v1@49.062,-63.511 ccw(c48.852,-63.721) 48.852,-63.424 ccw(c48.852,-63.127) v1@49.062,-63.337
F_CS: U1.73 U9.1 | length 38.9
  Top Layer w0.254: U1.73@69.933,-38.126 76.378,-31.682 76.378,-26.885 78.244,-25.019 96.012,-25.019 97.714,-23.317 U9.1@99.196,-23.317 ; U9.1@98.498,-23.44 ccw(c98.203,-23.735) 98.203,-23.317 ccw(c98.203,-22.9) U9.1@98.498,-23.195